# Altium PCB PCB.PcbDoc (part 1 of 2) (continued)
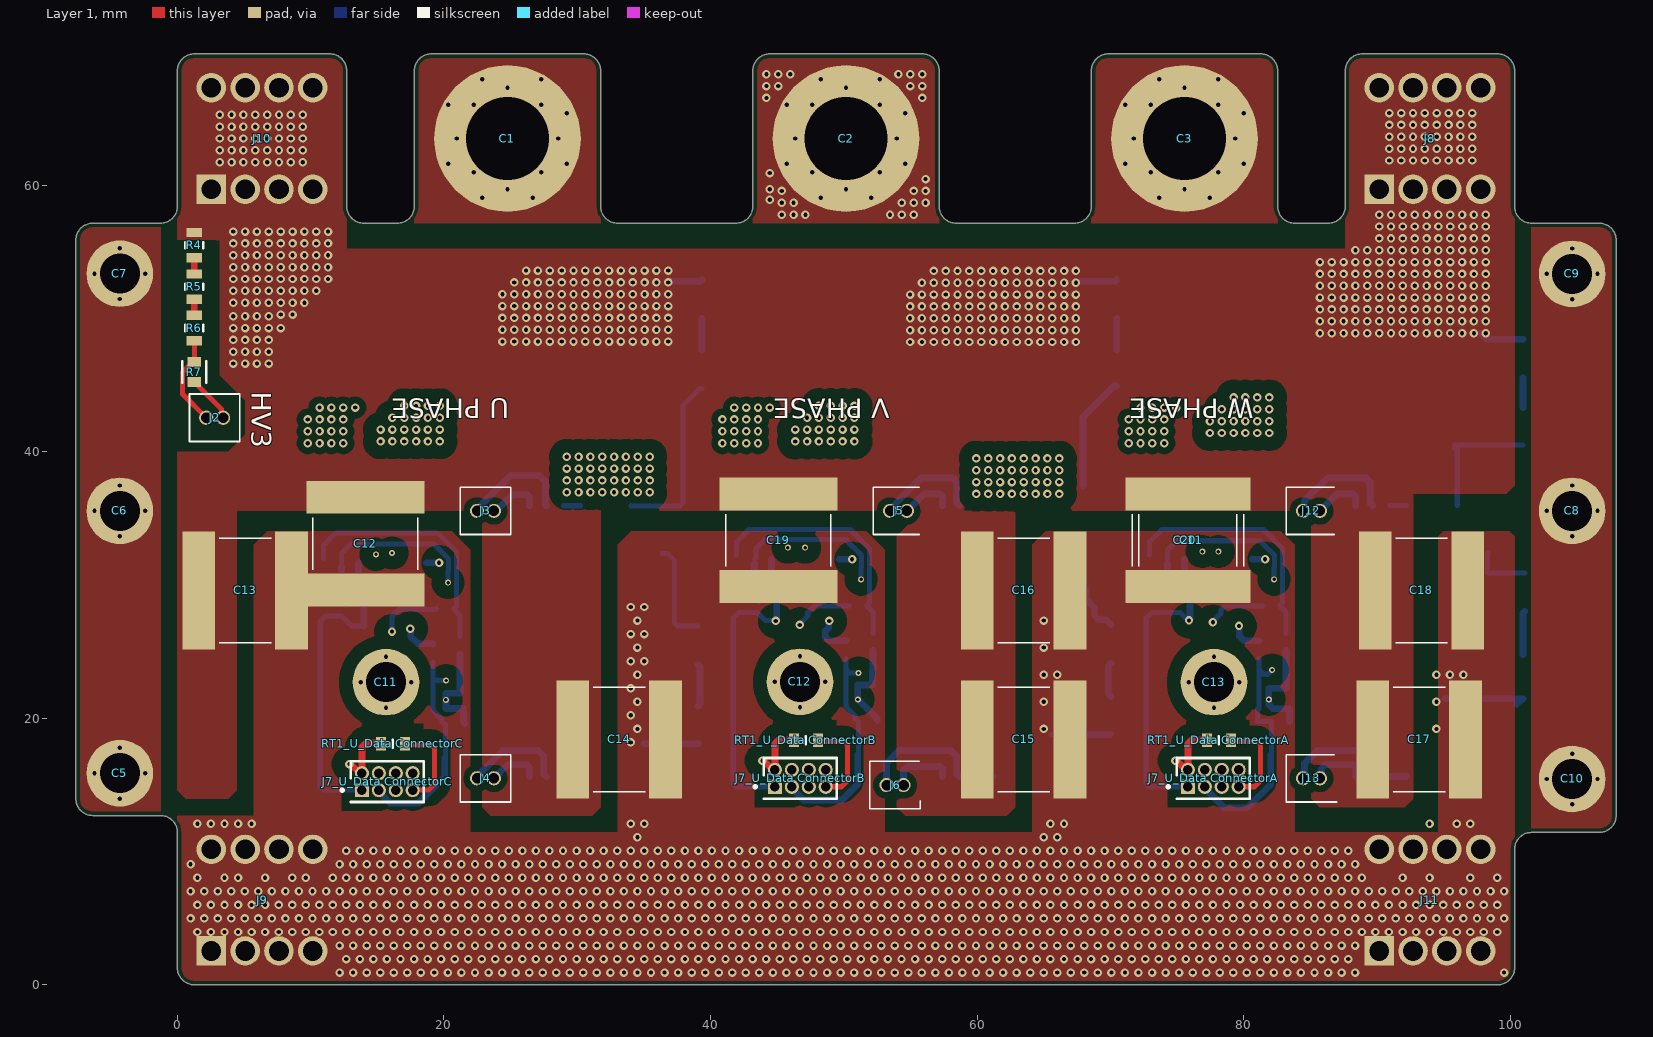
[diagram p0: Layer 1 view]
## Design rules (kind name [scope] priority, off if disabled: settings) (continued)
UnRoutedNet [InNetClass('All Nets')] p1: checkbadconnections=TRUE
UndershootFalling [All] p1: maximum=300.0m
UndershootRising [All] p1: maximum=300.0m
ViasUnderSMD [All] p1 off: allowed=FALSE
Width [All] p1: maxlimit=1.27 minlimit=0.254 preferedwidth=0.381
16 further rules are at their usual default settings.

## Classes and differential pairs
net class LV: 3V_U_totemA 3V_U_totemB 3V_U_totemC \O\C\_\D\E\T\_U_totemA \O\C\_\D\E\T\_U_totemB \O\C\_\D\E\T\_U_totemC CURR_SENSE_U_totemA_N CURR_SENSE_U_totemA_P CURR_SENSE_U_totemB_N CURR_SENSE_U_totemB_P CURR_SENSE_U_totemC_N CURR_SENSE_U_totemC_P "GND_U_Data ConnectorA" "GND_U_Data ConnectorB" "GND_U_Data ConnectorC" "NetJ7_U_Data ConnectorA_06" "NetJ7_U_Data ConnectorA_07" "NetJ7_U_Data ConnectorA_08" "NetJ7_U_Data ConnectorB_06" "NetJ7_U_Data ConnectorB_07" "NetJ7_U_Data ConnectorB_08" "NetJ7_U_Data ConnectorC_06" "NetJ7_U_Data ConnectorC_07" "NetJ7_U_Data ConnectorC_08"
net class HV: A_G_IN_U_totemA A_G_IN_U_totemB A_G_IN_U_totemC A_LOW_U_totemA A_LOW_U_totemB A_LOW_U_totemC B_G_IN_U_totemA B_G_IN_U_totemB B_G_IN_U_totemC B_LOW_U_totemA B_LOW_U_totemB B_LOW_U_totemC HV+_1 HV-_1 SENSE+ U_1 V_1 W_1
component class "U_DC Link": C11 C12 C13 C14 C15 C16 C17 C18 C19 C20
component class U_totemC: C4_U_totemC C21_U_totemC C22_U_totemC C23_U_totemC IC1_U_totemC Q1_U_totemC Q2_U_totemC R1_U_totemC R2_U_totemC R3_U_totemC R8_U_totemC R9_U_totemC
component class "U_Voltage Divider": R4 R5 R6 R7
channel class totem: U_totemA U_totemB U_totemC
channel class "Data Connector": "U_Data ConnectorA" "U_Data ConnectorB" "U_Data ConnectorC"
net class Tree_Nets: 3V_U_totemA 3V_U_totemB 3V_U_totemC \O\C\_\D\E\T\_U_totemA \O\C\_\D\E\T\_U_totemB \O\C\_\D\E\T\_U_totemC A_G_IN_U_totemA A_G_IN_U_totemB A_G_IN_U_totemC A_LOW_U_totemA A_LOW_U_totemB A_LOW_U_totemC B_G_IN_U_totemA B_G_IN_U_totemB B_G_IN_U_totemC B_LOW_U_totemA B_LOW_U_totemB B_LOW_U_totemC CHASSIS_L CHASSIS_R CURR_SENSE_U_totemA_N CURR_SENSE_U_totemA_P CURR_SENSE_U_totemB_N CURR_SENSE_U_totemB_P CURR_SENSE_U_totemC_N CURR_SENSE_U_totemC_P "GND_U_Data ConnectorA" "GND_U_Data ConnectorB" "GND_U_Data ConnectorC" HV+_1 HV-_1 SENSE+ U_1 V_1 W_1
component class U_totemA: C4_U_totemA C21_U_totemA C22_U_totemA C23_U_totemA IC1_U_totemA Q1_U_totemA Q2_U_totemA R1_U_totemA R2_U_totemA R3_U_totemA R8_U_totemA R9_U_totemA
component class U_totemB: C4_U_totemB C21_U_totemB C22_U_totemB C23_U_totemB IC1_U_totemB Q1_U_totemB Q2_U_totemB R1_U_totemB R2_U_totemB R3_U_totemB R8_U_totemB R9_U_totemB
component class "U_HC Standoff": J8 J9 J10 J11
component class "U_Data ConnectorC": "J7_U_Data ConnectorC" "RT1_U_Data ConnectorC"
component class "U_Data ConnectorB": "J7_U_Data ConnectorB" "RT1_U_Data ConnectorB"
component class "U_Data ConnectorA": "J7_U_Data ConnectorA" "RT1_U_Data ConnectorA"
component class Tree: C1 C2 C3 C5 C6 C7 C8 C9 C10 C11 C12 C13 J2 J3 J4 J5 J6 J12 J13
differential pair CURR_SENSE_U_totemC: +CURR_SENSE_U_totemC_P -CURR_SENSE_U_totemC_N
differential pair CURR_SENSE_U_totemB: +CURR_SENSE_U_totemB_P -CURR_SENSE_U_totemB_N
differential pair CURR_SENSE_U_totemA: +CURR_SENSE_U_totemA_P -CURR_SENSE_U_totemA_N

## Components (designator, comment, footprint, x,y, rotation, side; value= is the part's Value field where it differs from the comment)
C1 "HCC" "6mm Pad" 24.765,63.5 r0 top
C2 "HCC" "6mm Pad" 50.165,63.5 r0 top
C3 "HCC" "6mm Pad" 75.565,63.5 r0 top
C4_U_totemA "20 pF" "CAP 0603_1608" 81.153,25.146 r90 bottom (schematic designator C4)
C4_U_totemB "20 pF" "CAP 0603_1608" 50.165,25.146 r90 bottom (schematic designator C4)
C4_U_totemC "20 pF" "CAP 0603_1608" 19.177,24.892 r90 bottom (schematic designator C4)
C5 "LCC 3mm" "PAD 3MM" -4.318,15.875 r90 top
C6 "LCC 3mm" "PAD 3MM" -4.318,35.56 r90 top
C7 "LCC 3mm" "PAD 3MM" -4.318,53.365 r90 top
C8 "LCC 3mm" "PAD 3MM" 104.648,35.56 r0 top
C9 "LCC 3mm" "PAD 3MM" 104.648,53.34 r0 top
C10 "LCC 3mm" "PAD 3MM" 104.648,15.443 r0 top
C11 "LCC 3mm" "PAD 3MM" 15.646,22.708 r0 top
C11 "B58031U9254M062" B58031U9254M062 76.073,33.355 r270 top
C12 "LCC 3mm" "PAD 3MM" 46.711,22.733 r0 top
C12 "B58031U9254M062" B58031U9254M062 14.097,33.101 r270 top
C13 "LCC 3mm" "PAD 3MM" 77.775,22.708 r0 top
C13 "B58031U9254M062" B58031U9254M062 5.08,29.591 r0 top
C14 "B58031U9254M062" B58031U9254M062 33.147,18.415 r0 top
C15 "B58031U9254M062" B58031U9254M062 63.5,18.415 r0 top
C16 "B58031U9254M062" B58031U9254M062 63.498,29.591 r0 top
C17 "B58031U9254M062" B58031U9254M062 93.172,18.415 r0 top
C18 "B58031U9254M062" B58031U9254M062 93.345,29.591 r0 top
C19 "B58031U9254M062" B58031U9254M062 45.085,33.355 r270 top
C20 "B58031U9254M062" B58031U9254M062 75.565,33.355 r270 top
C21_U_totemA "10nF 1000V" "CAP 1206_3216 - 0.8MM" 100.965,46.99 r90 bottom value=1000pF (schematic designator C21)
C21_U_totemB "10nF 1000V" "CAP 1206_3216 - 0.8MM" 70.485,51.435 r90 bottom value=1000pF (schematic designator C21)
C21_U_totemC "10nF 1000V" "CAP 1206_3216 - 0.8MM" 39.37,51.435 r90 bottom value=1000pF (schematic designator C21)
C22_U_totemA "10nF 1000V" "CAP 1206_3216 - 0.8MM" 101.092,29.464 r90 bottom value=1000pF (schematic designator C22)
C22_U_totemB "10nF 1000V" "CAP 1206_3216 - 0.8MM" 70.043,25.584 r90 bottom value=1000pF (schematic designator C22)
C22_U_totemC "10nF 1000V" "CAP 1206_3216 - 0.8MM" 39.055,25.472 r90 bottom value=1000pF (schematic designator C22)
C23_U_totemA "20 pF" "CAP 0603_1608" 82.768,19.761 r0 bottom (schematic designator C23)
C23_U_totemB "20 pF" "CAP 0603_1608" 51.78,19.761 r0 bottom (schematic designator C23)
C23_U_totemC "20 pF" "CAP 0603_1608" 20.792,19.507 r0 bottom (schematic designator C23)
IC1_U_totemA "TMCS1123B1A" TMCS1126A8AQDVGRQ1 76.2,36.576 r270 bottom (schematic designator IC1)
IC1_U_totemB "TMCS1123B1A" TMCS1126A8AQDVGRQ1 45.212,36.576 r270 bottom (schematic designator IC1)
IC1_U_totemC "TMCS1123B1A" TMCS1126A8AQDVGRQ1 14.224,36.322 r270 bottom (schematic designator IC1)
J2 "SLM-102-01-X-S" *SLM-102-01-X-S 2.794,42.545 r180 top
J3 "SLM-102-01-X-S" *SLM-102-01-X-S 23.114,35.56 r0 top
J4 "SLM-102-01-X-S" *SLM-102-01-X-S 23.114,15.494 r0 top
J5 "SLM-102-01-X-S" *SLM-102-01-X-S 54.102,35.56 r0 top
J6 "SLM-102-01-X-S" *SLM-102-01-X-S 53.848,14.986 r0 top
"J7_U_Data ConnectorA" "SFMC-104-01-L-D" *SAMTEC_SFMC-104-01-L-D_SFMC-104-01-L-D(Primary) 77.724,15.494 r0 top (schematic designator J7)
"J7_U_Data ConnectorB" "SFMC-104-01-L-D" *SAMTEC_SFMC-104-01-L-D_SFMC-104-01-L-D(Primary) 46.736,15.494 r0 top (schematic designator J7)
"J7_U_Data ConnectorC" "SFMC-104-01-L-D" *SAMTEC_SFMC-104-01-L-D_SFMC-104-01-L-D(Primary) 15.748,15.24 r0 top (schematic designator J7)
J8 "7461084" 7461084 90.17,59.69 r0 top
J9 "7461084" 7461084 2.54,2.54 r0 top
J10 "7461084" 7461084 2.54,59.69 r0 top
J11 "7461084" 7461084 90.17,2.54 r0 top
J12 "SLM-102-01-X-S" *SLM-102-01-X-S 85.09,35.56 r0 top
J13 "SLM-102-01-X-S" *SLM-102-01-X-S 85.09,15.494 r0 top
Q1_U_totemA "GEM T2PAK" "GEM T2PAK H3.6" 92.222,43.948 r180 bottom (schematic designator Q1)
Q1_U_totemB "GEM T2PAK" "GEM T2PAK H3.6" 61.214,43.942 r180 bottom (schematic designator Q1)
Q1_U_totemC "GEM T2PAK" "GEM T2PAK H3.6" 30.48,43.815 r180 bottom (schematic designator Q1)
Q2_U_totemA "GEM T2PAK" "GEM T2PAK H3.6" 92.222,23.628 r180 bottom (schematic designator Q2)
Q2_U_totemB "GEM T2PAK" "GEM T2PAK H3.6" 61.214,23.622 r180 bottom (schematic designator Q2)
Q2_U_totemC "GEM T2PAK" "GEM T2PAK H3.6" 30.226,23.622 r180 bottom (schematic designator Q2)
R1_U_totemA "10k" "RES 0603_1608" 75.3,28.922 r180 bottom value=1k (schematic designator R1)
R1_U_totemB "10k" "RES 0603_1608" 44.312,28.922 r180 bottom value=1k (schematic designator R1)
R1_U_totemC "10k" "RES 0603_1608" 13.324,28.668 r180 bottom value=1k (schematic designator R1)
R2_U_totemA "2.1K" "RES 0603_1608" 82.078,28.473 r180 bottom (schematic designator R2)
R2_U_totemB "2.1K" "RES 0603_1608" 51.09,28.473 r180 bottom (schematic designator R2)
R2_U_totemC "2.1K" "RES 0603_1608" 20.102,28.219 r180 bottom (schematic designator R2)
R3_U_totemA "1.2k" "RES 0603_1608" 83.185,25.73 r270 bottom value=10k (schematic designator R3)
R3_U_totemB "1.2k" "RES 0603_1608" 52.197,25.73 r270 bottom value=10k (schematic designator R3)
R3_U_totemC "1.2k" "RES 0603_1608" 21.209,25.476 r270 bottom value=10k (schematic designator R3)
R4 "KTR10EZPJ135" FP-KTR10-MFG 1.27,55.499 r90 top
R5 "KTR10EZPJ135" FP-KTR10-MFG 1.27,52.385 r90 top
R6 "KTR10EZPJ135" FP-KTR10-MFG 1.27,49.276 r90 top
R7 "CRCW06035K60FKEA" FP-CRCW0603-e3-MFG 1.27,45.974 r90 top
R8_U_totemA "100R" "RES 1206_3216" 100.965,41.91 r90 bottom value="100 Ohms" (schematic designator R8)
R8_U_totemB "100R" "RES 1206_3216" 70.485,46.331 r90 bottom value="100 Ohms" (schematic designator R8)
R8_U_totemC "100R" "RES 1206_3216" 39.345,46.126 r90 bottom value="100 Ohms" (schematic designator R8)
R9_U_totemA "100R" "RES 1206_3216" 100.965,22.86 r90 bottom value="100 Ohms" (schematic designator R9)
R9_U_totemB "100R" "RES 1206_3216" 70.043,20.241 r90 bottom value="100 Ohms" (schematic designator R9)
R9_U_totemC "100R" "RES 1206_3216" 39.055,19.516 r90 bottom value="100 Ohms" (schematic designator R9)
"RT1_U_Data ConnectorA" "NTCS0603E3473FHT" THRMC1608X95N 78.141,18.339 r0 top (schematic designator RT1)
"RT1_U_Data ConnectorB" "NTCS0603E3473FHT" THRMC1608X95N 47.153,18.339 r0 top (schematic designator RT1)
"RT1_U_Data ConnectorC" "NTCS0603E3473FHT" THRMC1608X95N 16.165,18.085 r0 top (schematic designator RT1)

## Footprints (in the part's own frame and the unit in brackets; to place one, negate y for a bottom-side part, rotate by r counter-clockwise, add the part's x,y. Pads: shape width x height; smd on the part's side, far side on the other; paste and mask are expansions set on the pad)
"6mm Pad" [mm]
  round 11 hole 6.2 paste+0 mask+0.2: 1(0,0)
7461084 [mm]
  rect 2.213x2.213 hole 1.475: 1(0,0)
  round 2.213 hole 1.475: 2(2.54,0) 3(5.08,0) 4(7.62,0) 5(7.62,7.62) 6(5.08,7.62) 7(2.54,7.62) 8(0,7.62)
  body extent -1.19,-1.19 8.81,8.81, height 12.86
*SAMTEC_SFMC-104-01-L-D_SFMC-104-01-L-D(Primary) [mm]
  rect 1.06x1.06 hole 0.71: 01(-1.905,-0.635)
  round 1.06 hole 0.71: 02(-1.905,0.635) 03(-0.635,-0.635) 04(-0.635,0.635) 05(0.635,-0.635) 06(0.635,0.635) 07(1.905,-0.635) 08(1.905,0.635)
  silkscreen extent -3.48,-1.53 2.74,1.53, body extent -2.73,-1.99 2.73,1.99, height 4.7
*SLM-102-01-X-S [mil]
  round 42 hole 31: 1(25,0) 2(-25,0)
  silkscreen extent -75,-70 75,70, body extent -55,-50 55,50, height 180
B58031U9254M062 [mm]
  rect 2.45x8.85 smd mask+0.102: 1(-3.475,0) 2(3.475,0)
  silkscreen extent -1.95,-3.93 1.95,3.93, body extent -3.57,-3.93 3.57,3.93, height 4
"CAP 0603_1608" [mm] "Chip Capacitor, 2-Leads, Body 1.60x0.80mm, IPC Medium Density"
  rect 0.9x1 smd: 1(-0.675,0) 2(0.675,0)
  silkscreen extent -1.4,-0.7 1.4,0.7, body extent -0.8,-0.41 0.8,0.41, height 0.82
"CAP 1206_3216 - 0.8MM" [mm] "Chip Capacitor, 2-Leads, Body 3.25x1.60mm, IPC Medium Density"
  rrect50% 1.3x1.8 smd: 1(-1.45,0) 2(1.45,0)
  silkscreen extent -0.47,-1.12 0.47,1.12, body extent -1.6,-0.8 1.6,0.8, height 0.8
FP-CRCW0603-e3-MFG [mm]
  rect 0.75x1 smd paste+0 mask+0: 1(-0.75,0) 2(0.75,0)
  silkscreen extent -0.8,-0.9 0.8,0.9, body extent -1.22,-0.6 1.22,0.6, height 0.25
FP-KTR10-MFG [mm]
  rect 0.7x1.15 smd paste+0 mask+0: 1(-0.95,0) 2(0.95,0)
  silkscreen extent -0.23,-0.67 0.23,0.67, body extent -1.4,-0.77 1.4,0.77, height 0.25
"GEM T2PAK H3.6" [mm]
  rect 2.45x1.5 smd mask+0.01: D(-6.125,8.75) D(6.125,8.75)
  rect 0.9x3 smd mask+0.01: G(3.81,-8) KS(2.54,-8) S(-3.81,-8) S(-2.54,-8) S(-1.27,-8) S(0,-8) S(1.27,-8)
  silkscreen extent -7.25,-9.7 7.25,7.13, body extent -6.99,-9.4 7.02,9.18, height 3.56
"PAD 3MM" [mm]
  round 5 hole 3 paste+0 mask+0.2: 1(0,0)
"RES 0603_1608" [mm] "Chip Resistor, 2-Leads, Body 1.60x0.80mm, IPC Medium Density"
  rect 0.85x0.95 smd: 1(-0.65,0) 2(0.65,0)
  body extent -0.8,-0.4 0.8,0.4, height 0.45
"RES 1206_3216" [mm] "Chip Resistor, 2-Leads, Body 3.13x1.55mm, IPC Medium Density"
  rrect50% 1.2x1.65 smd: 1(-1.4,0) 2(1.4,0)
  silkscreen extent -2.3,-1.1 2.3,1.1, body extent -1.6,-0.8 1.6,0.8, height 0.6
THRMC1608X95N [mm]
  rect 0.75x1 smd: 1(-0.9,0) 2(0.9,0)
  silkscreen extent 0,-0.3 0,0.3, body extent -0.8,-0.4 0.8,0.4, height 0.95
TMCS1126A8AQDVGRQ1 [mm]
  rect 2x4.41 smd: 1(-4.65,2.54) 2(-4.65,-2.54)
  rect 2x0.6 smd: 3(4.65,-4.445) 4(4.65,-3.175) 5(4.65,-1.905) 6(4.65,-0.635) 7(4.65,0.635) 8(4.65,1.905) 9(4.65,3.175) 10(4.65,4.445)
  silkscreen extent -3.75,-5.15 3.75,5.15, body extent -3.75,-5.15 3.75,5.15, height 2.75

## Part data
C4_U_totemA C4_U_totemB C4_U_totemC: library part C0603C200K5GAC7867, "CAP CER 20PF 50V NP0 0603", Capacitance="100 nF", Device Package="0603 (1608 Metric)", Manufacturer=KEMET, Operating Temperature="-55°C ~ 125°C", Supplier Part Number 1=399-17401-1-ND, Temperature Coefficient="C0G, NP0", Tolerance=±10%, Voltage - Rated=50V, Applications="General Purpose", ComponentLink1Description=Datasheet, ComponentLink1URL=https://api.kemet.com/component-edge/download/datasheet/C0603C200K5GACTU.pdf, ComponentLink2Description="DigiKey Link", ComponentLink2URL=https://www.digikey.com/en/products/detail/kemet/C0603C200K5GAC7867/2200149, Features="Low ESL", LastUpdated="2/9/2024 8:10:26 PM", Lifecycle Status=Active, Minimum Order=1, Mounting Type="Surface Mount, MLCC", Package / Case="0603 (1608 Metric)", Packaging=TapeAndReel, Part Number=C0603C200K5GAC7867, Part Status=Active, PartId=5330, Price=0.04, Series="SMD Comm C0G", Size / Dimension="0.063\" L x 0.031\" W (1.60mm x 0.80mm)", Supplier 1=DigiKey, Thickness (Max)="0.034\" (0.87mm)"
C11 C12 C13 C14 C15 C16 C17 C18 C19 C20: "Capacitor", Manufacturer_Name=TDK, Mouser Part Number=871-B58031U9254M062, Arrow Part Number=B58031U9254M062, Arrow Price/Stock=https://www.arrow.com/en/products/b58031u9254m062/tdk?region=europe, Datasheet Link=https://product.tdk.com/system/files/dam/doc/product/capacitor/ceramic/ceralink/data_sheet/20/10/ds/b58031_lp.pdf, Height=4.5mm, Manufacturer_Part_Number=B58031U9254M062, Mouser Price/Stock=https://www.mouser.co.uk/ProductDetail/EPCOS-TDK/B58031U9254M062?qs=Mv7BduZupUir5egwM6Ifng%3D%3D
C21_U_totemA C21_U_totemB C21_U_totemC C22_U_totemA C22_U_totemB C22_U_totemC: library part MM062C102KCZ2A, "CAP CER 1000PF 200V X7R 1206", Capacitance=1000pF, Device Package="1206 (3216 Metric)", Manufacturer="AVX Corporation", Operating Temperature="-55°C ~ 125°C", Supplier Part Number 1=478-10625-1-ND, Temperature Coefficient=X7R, Tolerance=±10%, Voltage - Rated=200V, Applications="Medical, Non-Critical", ComponentLink1Description=Datasheet, ComponentLink1URL=http://datasheets.avx.com/AVX-MM.pdf, ComponentLink2Description="DigiKey Link", ComponentLink2URL=http://digikey.com/product-detail/en/avx-corporation/MM062C102KCZ2A/478-10625-1-ND/7344886, LastUpdated="9/2/2020 1:04:46 AM", Lifecycle Status=Active, Minimum Order=1, Mounting Type="Surface Mount, MLCC", Package / Case="1206 (3216 Metric)", Packaging=TapeAndReel, Part Number=MM062C102KCZ2A, Part Status=Active, PartId=18686, Price=0.57, Series=MM, Size / Dimension="0.126\" L x 0.063\" W (3.20mm x 1.60mm)", Supplier 1=DigiKey, Thickness (Max)="0.029\" (0.74mm)"
C23_U_totemA C23_U_totemB C23_U_totemC: library part C0603C200K5GAC7867, "CAP CER 20PF 50V NP0 0603", Capacitance="10 uF", Device Package="0603 (1608 Metric)", Manufacturer=KEMET, Operating Temperature="-55°C ~ 125°C", Supplier Part Number 1=399-17401-1-ND, Temperature Coefficient="C0G, NP0", Tolerance=±10%, Voltage - Rated=50V, Applications="General Purpose", ComponentLink1Description=Datasheet, ComponentLink1URL=https://api.kemet.com/component-edge/download/datasheet/C0603C200K5GACTU.pdf, ComponentLink2Description="DigiKey Link", ComponentLink2URL=https://www.digikey.com/en/products/detail/kemet/C0603C200K5GAC7867/2200149, Features="Low ESL", LastUpdated="2/9/2024 8:10:26 PM", Lifecycle Status=Active, Minimum Order=1, Mounting Type="Surface Mount, MLCC", Package / Case="0603 (1608 Metric)", Packaging=TapeAndReel, Part Number=C0603C200K5GAC7867, Part Status=Active, PartId=5330, Price=0.04, Series="SMD Comm C0G", Size / Dimension="0.063\" L x 0.031\" W (1.60mm x 0.80mm)", Supplier 1=DigiKey, Thickness (Max)="0.034\" (0.87mm)"
IC1_U_totemA IC1_U_totemB IC1_U_totemC: library part TMCS1123A1AQDVGR, "Integrated Circuit", Manufacturer_Name="Texas Instruments", Mouser Part Number=595-TMCS1123A1AQDVGR, Arrow Part Number=TMCS1123A1AQDVGR, Arrow Price/Stock=https://www.arrow.com/en/products/tmcs1123a1aqdvgr/texas-instruments?region=nac, Datasheet Link=https://www.ti.com/lit/ds/symlink/tmcs1123.pdf?ts=1707973672803&ref_url=https%253A%252F%252Fwww.google.com%252F, Height=2.65mm, Manufacturer_Part_Number=TMCS1123A1AQDVGR, Mouser Price/Stock=https://www.mouser.co.uk/ProductDetail/Texas-Instruments/TMCS1123A1AQDVGR?qs=mELouGlnn3ezMP2QpzrvaA%3D%3D
J8 J9 J10 J11: "Connector", Manufacturer_Name="Wurth Elektronik", Mouser Part Number=710-7461084, Datasheet Link=https://www.we-online.com/components/products/datasheet/7461084.pdf, Height=13.5mm, Manufacturer_Part_Number=7461084, Mouser Price/Stock=https://www.mouser.co.uk/ProductDetail/Wurth-Elektronik/7461084?qs=lykWx4dhCCHlOeuPuO4BAQ%3D%3D
R1_U_totemA R1_U_totemB R1_U_totemC R3_U_totemA R3_U_totemB R3_U_totemC: library part RNCS0603BKE10K0, "RES 10K OHM 0.1% 1/16W 0603", Device Package="0603 (1608 Metric)", Manufacturer="Stackpole Electronics Inc", Operating Temperature="-55°C ~ 155°C", Power (Watts)="0.063W, 1/16W", Ratings=AEC-Q200, Resistance="10 kOhms", Supplier Device Package=0603, Supplier Part Number 1=RNCS0603BKE10K0CT-ND, Temperature Coefficient=±25ppm/°C, Tolerance=±0.1%, ComponentLink1Description=Datasheet, ComponentLink1URL=https://www.seielect.com/catalog/sei-rncs_rnch.pdf, ComponentLink2Description="DigiKey Link", ComponentLink2URL=https://www.digikey.com/en/products/detail/stackpole-electronics-inc/RNCS0603BKE10K0/1708836, Composition="Thin Film", Features="Anti-Corrosive, Automotive AEC-Q200, Moisture Resistant", Height - Seated (Max)="0.022\" (0.55mm)", LastUpdated="2/9/2024 8:43:37 PM", Lifecycle Status=Active, Minimum Order=1, Number of Terminations=2, Package / Case="0603 (1608 Metric)", Packaging=TapeAndReel, Part Number=RNCS0603BKE10K0, Part Status=Active, PartId=4838, Price=0.06, Series=RNCS, Size / Dimension="0.061\" L x 0.031\" W (1.55mm x 0.80mm)", Supplier 1=DigiKey
R2_U_totemA R2_U_totemB R2_U_totemC: library part RNCS0603BKE7K50, "RES 7.5K OHM 0.1% 1/16W 0603", Device Package="0603 (1608 Metric)", Manufacturer="Stackpole Electronics Inc", Operating Temperature="-55°C ~ 155°C", Power (Watts)="0.063W, 1/16W", Ratings=AEC-Q200, Resistance="7.5 kOhms", Supplier Device Package=0603, Supplier Part Number 1=RNCS0603BKE7K50CT-ND, Temperature Coefficient=±25ppm/°C, Tolerance=±0.1%, ComponentLink1Description=Datasheet, ComponentLink1URL=https://www.seielect.com/catalog/sei-rncs_rnch.pdf, ComponentLink2Description="DigiKey Link", ComponentLink2URL=https://www.digikey.com/en/products/detail/stackpole-electronics-inc/RNCS0603BKE7K50/1800055, Composition="Thin Film", Features="Anti-Corrosive, Automotive AEC-Q200, Moisture Resistant", Height - Seated (Max)="0.022\" (0.55mm)", LastUpdated="2/9/2024 8:43:37 PM", Lifecycle Status=Active, Minimum Order=1, Number of Terminations=2, Package / Case="0603 (1608 Metric)", Packaging=TapeAndReel, Part Number=RNCS0603BKE7K50, Part Status=Active, PartId=4846, Price=0.06, Series=RNCS, Size / Dimension="0.061\" L x 0.031\" W (1.55mm x 0.80mm)", Supplier 1=DigiKey
R4 R5 R6: library part CMP-08839-031194-1, "Res Thick Film 0805 1.3MΩ 5% 0.125W ±200ppm/°C Automotive Paper T/R", Case/Package=0805, Max Operating Temperature=155°C, Max Power Dissipation=125mW, Min Operating Temperature=-55°C, Package Quantity=5000, Resistance=1.3MR, Resistor Type="Thick Film", Temperature Coefficient=200ppm/°C, Tolerance=5%, Height=0.026inch, Length=0.079inch, Number of Terminations=2, Packaging="Tape and Reel", RoHS Compliant=Yes, Series=KTR10, Width=0.049inch
R7: library part CMP-2000-03487-2, "RES Thick Film, 5.6kΩ, 1%, 0.1W, 100ppm/°C, 0603", Case Code (Imperial)=0603, Case Code (Metric)=1608, Max Operating Temperature=155°C, Min Operating Temperature=-55°C, Package Quantity=5000, Power Rating=100mW, Resistance=5.6kR, Temperature Coefficient=100ppm/°C, Tolerance=1%, Voltage Rating=75V, Case/Package=0603, Composition="Thick Film", Contact Plating=Tin, Depth=0.85mm, Height=0.45mm, Lead Free="Lead Free", Length=1.55mm, Military Standard=Not, Mount="Surface Mount", Number of Pins=2, Number of Terminations=2, Packaging="Tape and Reel", Radiation Hardening=No, Termination=SMD/SMT, Voltage Rating (DC)=75V, Weight=7.1E-05oz, Width=0.85mm, Working Voltage=75V
R8_U_totemA R8_U_totemB R8_U_totemC R9_U_totemA R9_U_totemB R9_U_totemC: library part Y4063100R000A0R, "RES SMD 100 OHM 0.05% 1/2W 1206", Device Package="1206 (3216 Metric)", Manufacturer="Vishay Foil Resistors (Division of Vishay Precision Group)", Operating Temperature="-55°C ~ 225°C", Power (Watts)="0.5W, 1/2W", Resistance="100 Ohms", Supplier Device Package=1206, Supplier Part Number 1=Y4063-100ACT-ND, Temperature Coefficient=±2.5ppm/°C, Tolerance=±0.05%, ComponentLink1Description=Datasheet, ComponentLink1URL=http://www.vishaypg.com/docs/63211/FRSHZ.pdf, ComponentLink2Description="DigiKey Link", ComponentLink2URL=https://www.digikey.com/en/products/detail/vishay-foil-resistors-division-of-vishay-precision-group/Y4063100R000A0R/3046987, Composition="Metal Foil", Features="Moisture Resistant, Non-Inductive", Height - Seated (Max)="0.025\" (0.64mm)", LastUpdated="2/9/2024 8:54:29 PM", Lifecycle Status=Active, Minimum Order=1, Number of Terminations=2, Package / Case="1206 (3216 Metric)", Packaging=TapeAndReel, Part Number=Y4063100R000A0R, Part Status=Active, PartId=30795, Price=12.79, Series=FRSH, Size / Dimension="0.126\" L x 0.062\" W (3.20mm x 1.57mm)", Supplier 1=DigiKey
"RT1_U_Data ConnectorA" "RT1_U_Data ConnectorB" "RT1_U_Data ConnectorC": "Thermistor", Manufacturer_Name=Vishay, Mouser Part Number=594-NTCS0603E3473FHT, Arrow Part Number=NTCS0603E3473FHT, Arrow Price/Stock=https://www.arrow.com/en/products/ntcs0603e3473fht/vishay, Datasheet Link=https://datasheet.datasheetarchive.com/originals/distributors/Datasheets-DGA6/547972.pdf, Height=0.95mm, Manufacturer_Part_Number=NTCS0603E3473FHT, Mouser Price/Stock=https://www.mouser.co.uk/ProductDetail/Vishay-BC-Components/NTCS0603E3473FHT?qs=%2FWiulJ9oly5JyPnR8jCnHg%3D%3D

## Via types
v1: diameter 0.635, hole 0.318, Layer 1 to Layer 6, tented both sides, 1630 vias
v2: diameter 0.635, hole 0.33, Layer 1 to Layer 6, tented both sides, 72 vias
v3: diameter 0.45, hole 0.25, Layer 1 to Layer 6, tented both sides, 15 vias
v4: diameter 0.635, hole 0.33, Layer 1 to Layer 6, 12 vias

## Nets (pads, with @x,y where several pads share a name; then routed paths per layer and width w, separated by ;. In a path a pad name is that pad's centre, name@x,y a point inside that pad or via, vN(x,y) a via of type N, cw(c..) or ccw(c..) an arc to the next point about the centre after c; other vN are vias at no path point)
3V_U_totemA: "J7_U_Data ConnectorA.03" C4_U_totemA.1 C23_U_totemA.1 IC1_U_totemA.8 R1_U_totemA.2 | length 39.2
  Layer 4 w0.381: v3(82.144,23.622) 82.144,30.267 82.287,30.411 v3(82.287,30.429)
  Layer 6 w0.381: IC1_U_totemA.8@74.295,31.926 74.295,32.626 74.989,33.32 81.222,33.32 82.321,32.221 82.321,31.351 82.287,31.317 v3(82.287,30.429) ; C4_U_totemA.1@81.153,24.471 81.153,23.653 ; 82.082,17.357 C23_U_totemA.1@82.082,19.74 ; C23_U_totemA.1@82.093,19.761 81.051,19.761 81.051,20.701 81.153,20.701 81.153,23.653 ; v3(82.144,23.622) 81.822,23.3 81.506,23.3 81.153,23.653
  Layer 6 w0.508: IC1_U_totemA.8@74.295,31.623 74.295,30.226 74.65,29.871 R1_U_totemA.2@74.65,28.922 ; R1_U_totemA.2@74.635,28.831 R1_U_totemA.2@74.657,28.81 ; 77.089,14.859 77.089,14.733 78.534,13.288 80.28,13.288 82.042,15.05 82.042,17.272
3V_U_totemB: "J7_U_Data ConnectorB.03" C4_U_totemB.1 C23_U_totemB.1 IC1_U_totemB.8 R1_U_totemB.2 | length 38
  Layer 4 w0.381: v3(51.105,23.393) 51.105,30.216 51.299,30.411 v3(51.299,30.429)
  Layer 6 w0.381: IC1_U_totemB.8@43.307,31.926 43.416,32.035 43.416,32.735 44.1,33.419 50.135,33.419 51.333,32.221 51.333,31.351 51.299,31.317 v3(51.299,30.429) ; C4_U_totemB.1@50.165,24.471 50.165,23.653 ; 51.094,17.357 51.094,19.74 50.845,19.988 50.845,20.187 50.165,20.867 50.165,23.653 ; v3(51.105,23.393) 51.092,23.407 50.411,23.407 50.165,23.653
  Layer 6 w0.508: IC1_U_totemB.8@43.307,31.623 43.307,30.226 43.662,29.871 R1_U_totemB.2@43.662,28.922 ; R1_U_totemB.2@43.647,28.831 R1_U_totemB.2@43.669,28.81 ; 46.101,14.859 46.101,14.733 46.962,13.872 49.872,13.872 51.054,15.054 51.054,17.272
3V_U_totemC: "J7_U_Data ConnectorC.03" C4_U_totemC.1 C23_U_totemC.1 IC1_U_totemC.8 R1_U_totemC.2 | length 37.7
  Layer 4 w0.381: v3(20.168,22.835) 20.168,30.013 20.311,30.157 v3(20.311,30.175)
  Layer 6 w0.381: IC1_U_totemC.8@12.319,31.672 12.319,32.372 13.013,33.066 19.246,33.066 20.345,31.967 20.345,31.097 20.311,31.063 v3(20.311,30.175) ; C4_U_totemC.1@19.177,24.217 19.177,22.86 ; 20.106,17.103 20.106,19.486 19.857,19.734 19.857,19.91 19.177,20.59 19.177,22.86 ; v3(20.168,22.835) 20.154,22.848 19.57,22.848 19.558,22.86 19.177,22.86
  Layer 6 w0.508: IC1_U_totemC.8@12.319,31.369 12.319,29.972 12.674,29.617 R1_U_totemC.2@12.674,28.668 ; R1_U_totemC.2@12.659,28.577 R1_U_totemC.2@12.681,28.556 ; 15.113,14.605 15.113,14.479 15.974,13.618 18.063,13.618 20.066,15.621 20.066,17.018
\O\C\_\D\E\T\_U_totemA: "J7_U_Data ConnectorA.01" IC1_U_totemA.7 R1_U_totemA.1 | length 24.2
  Layer 6 w0.381: 75.819,14.859 72.918,14.859 72.695,15.082 72.695,27.508 73.127,27.94 75.245,27.94 75.791,27.394 75.84,27.394 v1@75.9,27.455
  Layer 6 w0.508: IC1_U_totemA.7@75.565,31.926 75.565,29.357 R1_U_totemA.1@75.966,28.956 ; v1(75.9,27.337) v1@75.9,27.5 ; v1@75.9,27.396 75.924,27.396 75.972,27.444 75.972,28.9 R1_U_totemA.1@75.95,28.922
\O\C\_\D\E\T\_U_totemB: "J7_U_Data ConnectorB.01" IC1_U_totemB.7 R1_U_totemB.1 | length 24.1
  Layer 6 w0.381: 44.831,14.859 41.93,14.859 41.707,15.082 41.707,27.508 42.139,27.94 43.491,27.94 44.082,27.349 44.851,27.349 v1(44.9,27.3)
  Layer 6 w0.508: IC1_U_totemB.7@44.577,31.926 44.577,29.357 R1_U_totemB.1@44.978,28.956 ; v1(44.9,27.3) 44.9,27.334 44.962,27.396 R1_U_totemB.1@44.962,28.922
\O\C\_\D\E\T\_U_totemC: "J7_U_Data ConnectorC.01" IC1_U_totemC.7 R1_U_totemC.1 | length 24.3
  Layer 6 w0.381: 13.843,14.605 10.942,14.605 10.719,14.828 10.719,27.254 11.151,27.686 12.315,27.686 13.101,26.9 14,26.9
  Layer 6 w0.508: IC1_U_totemC.7@13.589,31.672 13.589,29.103 R1_U_totemC.1@13.99,28.702 ; R1_U_totemC.1@13.974,28.668 13.987,28.655 13.987,26.913 14,26.9
A_G_IN_U_totemA: J12.1 Q1_U_totemA.G | length 4
  Layer 6 w0.508: J12.1@85.725,35.56 86.995,36.83 88.216,36.83 88.412,36.634 Q1_U_totemA.G@88.412,35.948
A_G_IN_U_totemB: J5.1 Q1_U_totemB.G | length 4
  Layer 6 w0.508: J5.1@54.737,35.56 56.007,36.83 57.208,36.83 57.404,36.634 Q1_U_totemB.G@57.404,35.942
A_G_IN_U_totemC: J3.1 Q1_U_totemC.G | length 3.9
  Layer 6 w0.508: J3.1@23.749,35.56 23.9,35.56 25.139,36.798 26.22,36.798 26.416,36.602 Q1_U_totemC.G@26.416,35.942
A_LOW_U_totemA: J12.2 Q1_U_totemA.KS | length 8.4
  Layer 6 w0.508: J12.2@84.455,35.56 84.545,35.65 84.545,36.285 86.288,38.028 89.188,38.028 89.486,37.731 89.486,36.144 Q1_U_totemA.KS@89.682,35.948
A_LOW_U_totemB: J5.2 Q1_U_totemB.KS | length 8.3
  Layer 6 w0.508: J5.2@53.594,35.289 53.594,35.814 53.746,35.966 53.746,35.97 54.327,36.551 54.331,36.551 55.802,38.022 58.18,38.022 58.478,37.724 58.478,36.138 Q1_U_totemB.KS@58.674,35.942
A_LOW_U_totemC: J3.2 Q1_U_totemC.KS | length 8.3
  Layer 6 w0.508: J3.2@22.479,35.56 22.479,35.691 24.687,37.899 24.984,38.196 27.178,38.196 27.62,37.754 27.62,36.008 Q1_U_totemC.KS@27.686,35.942
B_G_IN_U_totemA: J13.1 Q2_U_totemA.G | length 4.2
  Layer 6 w0.508: J13.1@85.725,15.494 85.823,15.592 85.823,16.212 86.12,16.51 88.216,16.51 88.412,16.314 Q2_U_totemA.G@88.412,15.628
B_G_IN_U_totemB: J6.1 Q2_U_totemB.G | length 4.8
  Layer 6 w0.508: J6.1@54.483,14.986 54.483,16.085 54.781,16.383 57.208,16.383 57.404,16.187 Q2_U_totemB.G@57.404,15.622
B_G_IN_U_totemC: J4.1 Q2_U_totemC.G | length 3.9
  Layer 6 w0.508: J4.1@23.749,15.494 24.765,16.51 26.22,16.51 26.416,16.314 Q2_U_totemC.G@26.416,15.622
B_LOW_U_totemA: J13.2 Q2_U_totemA.KS | length 8.2
  Layer 6 w0.508: J13.2@84.582,15.582 84.562,15.602 84.562,16.617 85.531,17.586 89.051,17.586 89.486,17.151 89.486,15.824 Q2_U_totemA.KS@89.682,15.628
B_LOW_U_totemB: J6.2 Q2_U_totemB.KS | length 9.1
  Layer 6 w0.508: J6.2@53.213,14.986 53.213,16.637 54.155,17.579 58.043,17.579 58.478,17.145 58.478,15.818 Q2_U_totemB.KS@58.674,15.622
B_LOW_U_totemC: J4.2 Q2_U_totemC.KS | length 7.7
  Layer 6 w0.508: J4.2@22.479,15.494 22.479,15.625 24.433,17.579 27.055,17.579 27.49,17.145 27.49,15.818 Q2_U_totemC.KS@27.686,15.622
CHASSIS_L: C5.1 C6.1 C7.1
  other v2: -4.318,13.97 -2.413,15.875 -4.318,17.78 -4.318,33.655 -2.413,35.56 -4.318,37.465 -4.318,51.46 -2.413,53.365 -4.318,55.27
  other v4: -6.223,15.875 -6.223,35.56 -6.223,53.365
CHASSIS_R: C8.1 C9.1 C10.1
  other v2: 104.648,13.538 102.743,15.443 106.553,15.443 104.648,33.655 102.743,35.56 106.553,35.56 104.648,51.435 102.743,53.34 106.553,53.34
  other v4: 104.648,17.348 104.648,37.465 104.648,55.245
CURR_SENSE_U_totemA_N: "J7_U_Data ConnectorA.04" IC1_U_totemA.5 R2_U_totemA.2 | length 25.1
  Layer 4 w0.381: 77.089,16.129 77.089,16.165 76.079,17.176 76.079,17.357 75.198,18.237 74.544,18.237 74.32,18.46 74.32,25.768 74.544,25.991 76.458,25.991 77.246,26.78 77.246,26.85 77.469,27.073 77.504,27.073 77.631,27.2 v1(77.7,27.2) 77.7,29.781 77.978,30.059 77.978,32.359 78.1,32.481 v3(78.1,32.5)
  Layer 6 w0.381: v1(77.7,27.2) 77.7,27.269 78.287,27.856 78.287,28.13 78.579,28.421 81.376,28.421 R2_U_totemA.2@81.428,28.473
CURR_SENSE_U_totemA_P: "J7_U_Data ConnectorA.05" IC1_U_totemA.6 | length 26.3
  Layer 4 w0.381: v3(76.9,32.5) 76.9,32.481 77.022,32.359 77.022,30.455 76.9,30.333 76.9,27.402 76.611,27.113 76.611,27.043 76.195,26.626 74.281,26.626 73.685,26.031 73.685,18.197 73.714,18.169 73.714,17.341 73.685,17.313 73.685,17.25 73.685,14.041 73.909,13.818 77.354,13.818 78.359,14.823 78.359,14.859
CURR_SENSE_U_totemB_N: "J7_U_Data ConnectorB.04" IC1_U_totemB.5 R2_U_totemB.2 | length 27.5
  Layer 4 w0.381: 46.101,16.129 46.101,16.165 45.091,17.176 45.091,17.357 44.21,18.237 43.556,18.237 43.332,18.46 43.332,27.477 44.841,28.985 46.063,28.985 46.435,29.357 ; v1(46.7,27) 46.7,29.092 46.435,29.357 ; v3(47.1,32.8) 47.1,32.781 46.548,32.229 46.548,31.825 46.435,31.712 46.435,29.357
  Layer 6 w0.381: v1(46.7,27) 46.7,27.068 47.295,27.663 47.295,27.932 47.784,28.421 50.388,28.421 R2_U_totemB.2@50.44,28.473
CURR_SENSE_U_totemB_P: "J7_U_Data ConnectorB.05" IC1_U_totemB.6 | length 25.9
  Layer 4 w0.381: v3(45.8,32.8) 45.8,29.844 45.577,29.62 44.578,29.62 42.697,27.74 42.697,18.197 42.726,18.169 42.726,17.341 42.697,17.313 42.697,14.041 42.921,13.818 46.366,13.818 47.371,14.823 47.371,14.859
CURR_SENSE_U_totemC_N: "J7_U_Data ConnectorC.04" IC1_U_totemC.5 R2_U_totemC.2 | length 33.1
  Layer 4 w0.381: 15.113,15.875 15.113,15.911 13.752,17.272 12.609,17.272 12.192,16.855 12.192,15.639 11.969,15.416 11.653,15.416 11.43,15.639 11.43,26.813 12.75,28.133 14.908,28.133 15.537,28.763 ; v1(16.1,26.5) 16.1,28.2 15.537,28.763 ; v3(16.1,32.4) 16.1,32.399 15.537,31.836 15.537,28.763
  Layer 6 w0.381: v1(16.1,26.5) 16.1,27.664 16.603,28.167 19.4,28.167 R2_U_totemC.2@19.452,28.219
CURR_SENSE_U_totemC_P: "J7_U_Data ConnectorC.05" IC1_U_totemC.6 | length 26.6
  Layer 4 w0.381: v3(14.9,32.3) 14.9,29.023 14.645,28.768 12.487,28.768 10.795,27.076 10.795,15.376 11.39,14.781 12.051,14.781 13.15,13.681 15.496,13.681 16.383,14.569 16.383,14.605
"GND_U_Data ConnectorA": "J7_U_Data ConnectorA.02" "RT1_U_Data ConnectorA.1" C4_U_totemA.2 C23_U_totemA.2 IC1_U_totemA.3 R3_U_totemA.2 | length 16.1
  Layer 1 w0.508: v1(74.879,16.815) 74.903,16.791 75.008,16.791 75.67,16.129 75.819,16.129 75.819,18.092 76.117,18.39 77.191,18.39 77.241,18.339
  Layer 6 w0.508: v1(79.654,26.924) 79.679,26.9 79.679,26.163 80.021,25.821 C4_U_totemA.2@81.153,25.821 ; IC1_U_totemA.3@80.645,31.926 v1(81.61,31.926) ; R3_U_totemA.2@83.185,25.08 83.185,22.25 81.89,22.25 v3(81.89,21.412) 81.89,21.016 82.187,20.718 83.443,20.718 C23_U_totemA.2@83.443,19.761
"GND_U_Data ConnectorB": "J7_U_Data ConnectorB.02" "RT1_U_Data ConnectorB.1" C4_U_totemB.2 C23_U_totemB.2 IC1_U_totemB.3 R3_U_totemB.2 | length 15.6
  Layer 1 w0.508: v1(43.891,16.815) 43.915,16.791 44.02,16.791 44.682,16.129 44.831,16.129 44.831,18.092 45.129,18.39 46.203,18.39 46.253,18.339
  Layer 6 w0.508: v1(48.9,27.3) 48.876,27.276 48.876,26.81 48.605,26.539 48.605,26.119 48.903,25.821 C4_U_totemB.2@50.165,25.821 ; IC1_U_totemB.3@49.657,31.926 v1(50.622,31.926) ; R3_U_totemB.2@52.197,25.08 52.197,24.922 52.184,24.909 52.184,23.584 52.146,23.546 52.146,22.504 51.054,22.504 v3(51.054,21.412) 52.455,20.011 52.455,19.924 C23_U_totemB.2@52.503,19.876
"GND_U_Data ConnectorC": "J7_U_Data ConnectorC.02" "RT1_U_Data ConnectorC.1" C4_U_totemC.2 C23_U_totemC.2 IC1_U_totemC.3 R3_U_totemC.2 | length 15.9
  Layer 1 w0.508: v1(12.903,16.561) 12.927,16.537 13.032,16.537 13.694,15.875 13.843,15.875 13.843,17.838 14.141,18.136 15.215,18.136 15.265,18.085
  Layer 6 w0.508: v1(17.475,26.721) 17.499,26.697 17.499,26.138 18.043,25.595 19.149,25.595 C4_U_totemC.2@19.177,25.567 ; IC1_U_totemC.3@18.669,31.672 v1(19.634,31.672) ; R3_U_totemC.2@21.209,24.826 21.209,21.869 20.142,21.869 v3(20.142,21.387) 20.142,20.723 21.467,20.723 21.467,19.753 21.554,19.666 C23_U_totemC.2@21.554,19.583
HV+_1: C11.1@76.073,36.83 C12.1@14.097,36.576 C13.1@1.605,29.591 C14.1 C15.1 C16.1 C17.1 C18.1 C19.1 C20.1 C21_U_totemA.2 C21_U_totemB.2 C21_U_totemC.2 J8.1 J8.2 J8.3 J8.4 J8.5 J8.6 J8.7 J8.8 J10.1 J10.2 J10.3 J10.4 J10.5 J10.6 J10.7 J10.8 Q1_U_totemA.D Q1_U_totemB.D Q1_U_totemC.D R4.2 | length 9.2
  Layer 6 w0.508: v1(36.83,52.705) 36.913,52.788 39.273,52.788 C21_U_totemC.2@39.37,52.885 ; Q1_U_totemB.D@67.31,52.705 67.393,52.788 70.388,52.788 C21_U_totemB.2@70.485,52.885 ; 97.79,48.895 98.245,48.44 C21_U_totemA.2@100.965,48.44
  other v1: 4.191,46.609 5.08,46.609 5.969,46.609 6.858,46.609 4.191,47.498 5.08,47.498 5.969,47.498 6.858,47.498 54.974,48.231 55.863,48.231 56.752,48.231 57.641,48.231 58.53,48.231 59.419,48.231 60.308,48.231 61.197,48.231 62.086,48.231 62.975,48.231 63.864,48.231 64.753,48.231 65.642,48.231 66.531,48.231 67.42,48.231 24.384,48.26 25.273,48.26 26.162,48.26 27.051,48.26 27.94,48.26 28.829,48.26 29.718,48.26 30.607,48.26 31.496,48.26 32.385,48.26 33.274,48.26 34.163,48.26 35.052,48.26 35.941,48.26 36.83,48.26 4.191,48.387 5.08,48.387 5.969,48.387 6.858,48.387 85.725,48.895 86.614,48.895 87.503,48.895 88.392,48.895 89.281,48.895 90.17,48.895 91.059,48.895 91.948,48.895 92.837,48.895 93.726,48.895 94.615,48.895 95.504,48.895 96.393,48.895 97.282,48.895 98.171,48.895 54.974,49.12 55.863,49.12 56.752,49.12 57.641,49.12 58.53,49.12 59.419,49.12 60.308,49.12 61.197,49.12 62.086,49.12 62.975,49.12 63.864,49.12 64.753,49.12 65.642,49.12 66.531,49.12 67.42,49.12 24.384,49.149 25.273,49.149 26.162,49.149 27.051,49.149 27.94,49.149 28.829,49.149 29.718,49.149 30.607,49.149 31.496,49.149 32.385,49.149 33.274,49.149 34.163,49.149 35.052,49.149 35.941,49.149 36.83,49.149 4.191,49.276 5.08,49.276 5.969,49.276 6.858,49.276 7.747,49.276 85.725,49.784 86.614,49.784 87.503,49.784 88.392,49.784 89.281,49.784 90.17,49.784 91.059,49.784 91.948,49.784 92.837,49.784 93.726,49.784 94.615,49.784 95.504,49.784 96.393,49.784 97.282,49.784 98.171,49.784 54.974,50.009 55.863,50.009 56.752,50.009 57.641,50.009 58.53,50.009 59.419,50.009 60.308,50.009 61.197,50.009 62.086,50.009 62.975,50.009 63.864,50.009 64.753,50.009 65.642,50.009 66.531,50.009 67.42,50.009 24.384,50.038 25.273,50.038 26.162,50.038 27.051,50.038 27.94,50.038 28.829,50.038 29.718,50.038 30.607,50.038 31.496,50.038 32.385,50.038 33.274,50.038 34.163,50.038 35.052,50.038 35.941,50.038 36.83,50.038 4.191,50.165 5.08,50.165 5.969,50.165 6.858,50.165 7.747,50.292 8.636,50.292 85.725,50.673 86.614,50.673 87.503,50.673 88.392,50.673 89.281,50.673 90.17,50.673 91.059,50.673 91.948,50.673 92.837,50.673 93.726,50.673 94.615,50.673 95.504,50.673 96.393,50.673 97.282,50.673 98.171,50.673 54.974,50.898 55.863,50.898 56.752,50.898 57.641,50.898 58.53,50.898 59.419,50.898 60.308,50.898 61.197,50.898 62.086,50.898 62.975,50.898 63.864,50.898 64.753,50.898 65.642,50.898 66.531,50.898 67.42,50.898 24.384,50.927 25.273,50.927 26.162,50.927 27.051,50.927 27.94,50.927 28.829,50.927 29.718,50.927 30.607,50.927 31.496,50.927 32.385,50.927 33.274,50.927 34.163,50.927 35.052,50.927 35.941,50.927 36.83,50.927 4.191,51.181 5.08,51.181 5.969,51.181 6.858,51.181 7.747,51.181 8.636,51.181 9.525,51.181 85.725,51.562 86.614,51.562 87.503,51.562 88.392,51.562 89.281,51.562 90.17,51.562 91.059,51.562 91.948,51.562 92.837,51.562 93.726,51.562 94.615,51.562 95.504,51.562 96.393,51.562 97.282,51.562 98.171,51.562 54.974,51.787 55.863,51.787 56.752,51.787 57.641,51.787 58.53,51.787 59.419,51.787 60.308,51.787 61.197,51.787 62.086,51.787 62.975,51.787 63.864,51.787 64.753,51.787 65.642,51.787 66.531,51.787 67.42,51.787 24.384,51.816 25.273,51.816 26.162,51.816 27.051,51.816 27.94,51.816 28.829,51.816 29.718,51.816 30.607,51.816 31.496,51.816 32.385,51.816 33.274,51.816 34.163,51.816 35.052,51.816 35.941,51.816 36.83,51.816 4.191,52.07 5.08,52.07 5.969,52.07 6.858,52.07 7.747,52.07 8.636,52.07 9.525,52.07 10.414,52.07 85.725,52.451 86.614,52.451 87.503,52.451 88.392,52.451 89.281,52.451 90.17,52.451 91.059,52.451 91.948,52.451 92.837,52.451 93.726,52.451 94.615,52.451 95.504,52.451 96.393,52.451 97.282,52.451 98.171,52.451 55.863,52.676 56.752,52.676 57.641,52.676 58.53,52.676 59.419,52.676 60.308,52.676 61.197,52.676 62.086,52.676 62.975,52.676 63.864,52.676 64.753,52.676 65.642,52.676 66.531,52.676 67.42,52.676 25.273,52.705 26.162,52.705 27.051,52.705 27.94,52.705 28.829,52.705 29.718,52.705 30.607,52.705 31.496,52.705 32.385,52.705 33.274,52.705 34.163,52.705 35.052,52.705 35.941,52.705 4.191,52.959 5.08,52.959 5.969,52.959 6.858,52.959 7.747,52.959 8.636,52.959 9.525,52.959 10.414,52.959 11.303,52.959 85.725,53.34 86.614,53.34 87.503,53.34 88.392,53.34 89.281,53.34 90.17,53.34 91.059,53.34 91.948,53.34 92.837,53.34 93.726,53.34 94.615,53.34 95.504,53.34 96.393,53.34 97.282,53.34 98.171,53.34 56.752,53.565 57.641,53.565 58.53,53.565 59.419,53.565 60.308,53.565 61.197,53.565 62.086,53.565 62.975,53.565 63.864,53.565 64.753,53.565 65.642,53.565 66.531,53.565 67.42,53.565 26.162,53.594 27.051,53.594 27.94,53.594 28.829,53.594 29.718,53.594 30.607,53.594 31.496,53.594 32.385,53.594 33.274,53.594 34.163,53.594 35.052,53.594 35.941,53.594 36.83,53.594 4.191,53.848 5.08,53.848 5.969,53.848 6.858,53.848 7.747,53.848 8.636,53.848 9.525,53.848 10.414,53.848 11.303,53.848 85.725,54.229 86.614,54.229 87.503,54.229 88.392,54.229 89.281,54.229 90.17,54.229 91.059,54.229 91.948,54.229 92.837,54.229 93.726,54.229 94.615,54.229 95.504,54.229 96.393,54.229 97.282,54.229 98.171,54.229 4.191,54.737 5.08,54.737 5.969,54.737 6.858,54.737 7.747,54.737 8.636,54.737 9.525,54.737 10.414,54.737 11.303,54.737 88.392,55.118 89.281,55.118 90.17,55.118 91.059,55.118 91.948,55.118 92.837,55.118 93.726,55.118 94.615,55.118 95.504,55.118 96.393,55.118 97.282,55.118 98.171,55.118 4.191,55.626 5.08,55.626 5.969,55.626 6.858,55.626 7.747,55.626 8.636,55.626 9.525,55.626 10.414,55.626 11.303,55.626 90.17,56.007 91.059,56.007 91.948,56.007 92.837,56.007 93.726,56.007 94.615,56.007 95.504,56.007 96.393,56.007 97.282,56.007 98.171,56.007 4.191,56.515 5.08,56.515 5.969,56.515 6.858,56.515 7.747,56.515 8.636,56.515 9.525,56.515 10.414,56.515 11.303,56.515 90.17,56.896 91.059,56.896 91.948,56.896 92.837,56.896 93.726,56.896 94.615,56.896 95.504,56.896 96.393,56.896 97.282,56.896 98.171,56.896 90.17,57.785 91.059,57.785 91.948,57.785 92.837,57.785 93.726,57.785 94.615,57.785 95.504,57.785 96.393,57.785 97.282,57.785 98.171,57.785 3.175,61.722 4.064,61.722 4.953,61.722 5.842,61.722 6.731,61.722 7.62,61.722 8.509,61.722 9.398,61.722 90.932,61.849 91.821,61.849 92.71,61.849 93.599,61.849 94.488,61.849 95.377,61.849 96.266,61.849 97.155,61.849 3.175,62.611 4.064,62.611 4.953,62.611 5.842,62.611 6.731,62.611 7.62,62.611 8.509,62.611 9.398,62.611 90.932,62.738 91.821,62.738 92.71,62.738 93.599,62.738 94.488,62.738 95.377,62.738 96.266,62.738 97.155,62.738 3.175,63.5 4.064,63.5 4.953,63.5 5.842,63.5 6.731,63.5 7.62,63.5 8.509,63.5 9.398,63.5 90.932,63.627 91.821,63.627 92.71,63.627 93.599,63.627 94.488,63.627 95.377,63.627 96.266,63.627 97.155,63.627 3.175,64.389 4.064,64.389 4.953,64.389 5.842,64.389 6.731,64.389 7.62,64.389 8.509,64.389 9.398,64.389 90.932,64.516 91.821,64.516 92.71,64.516 93.599,64.516 94.488,64.516 95.377,64.516 96.266,64.516 97.155,64.516 3.175,65.278 4.064,65.278 4.953,65.278 5.842,65.278 6.731,65.278 7.62,65.278 8.509,65.278 9.398,65.278 90.932,65.405 91.821,65.405 92.71,65.405 93.599,65.405 94.488,65.405 95.377,65.405 96.266,65.405 97.155,65.405